# Altium PCB Balam_Board_2021.PcbDoc
Units mm, origin at the board's own origin, x right, y up, seen from the top; angles counter-clockwise.
Board outline 76 x 76 mm, 2 copper layers (Top Layer, Bottom Layer); 46 components, 44 nets, 197 pads, 61 vias.
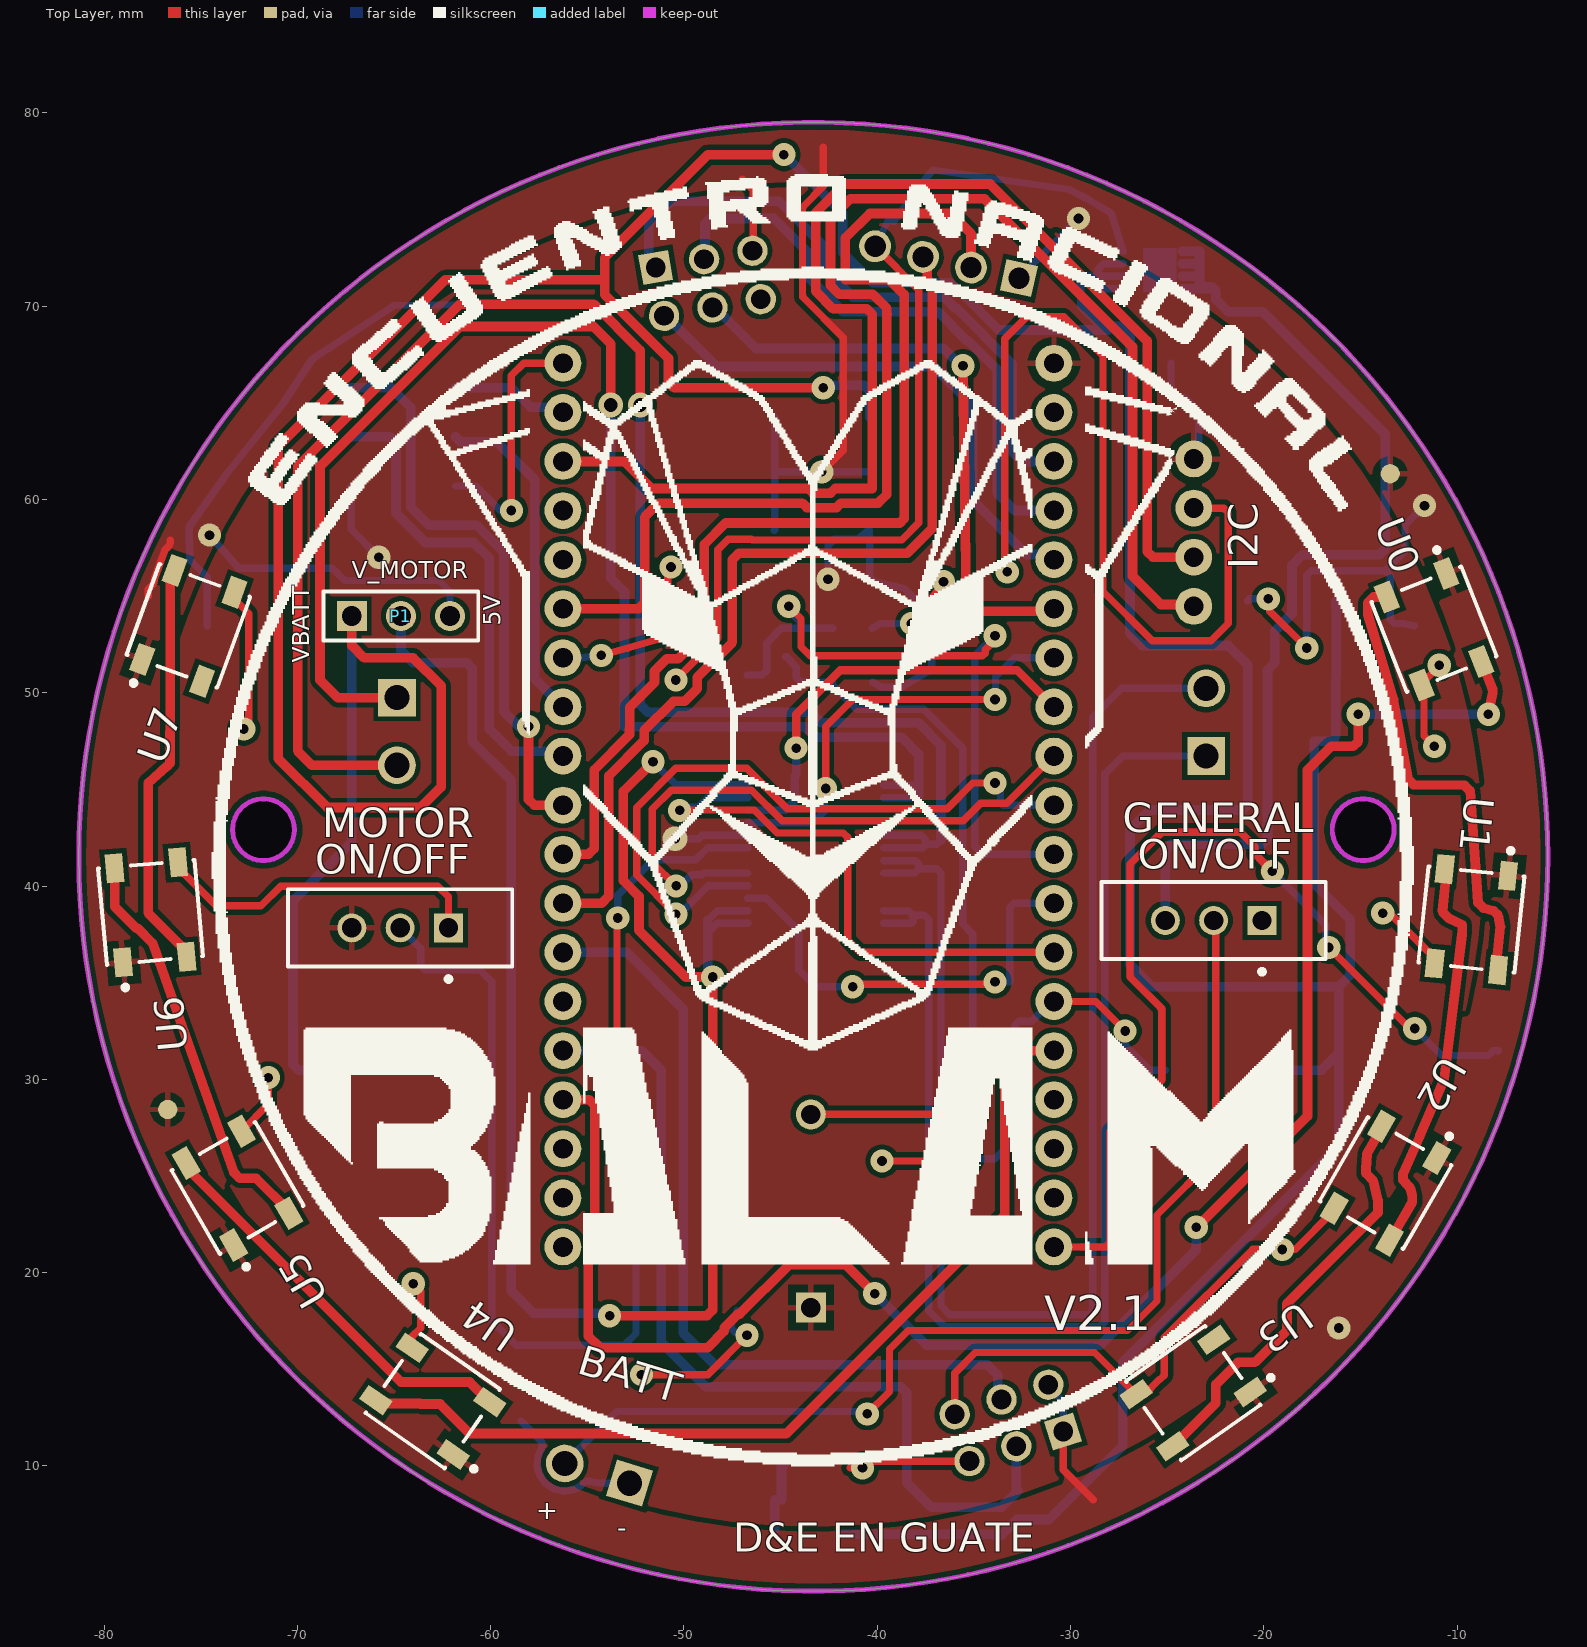
[diagram p0: Top Layer view]
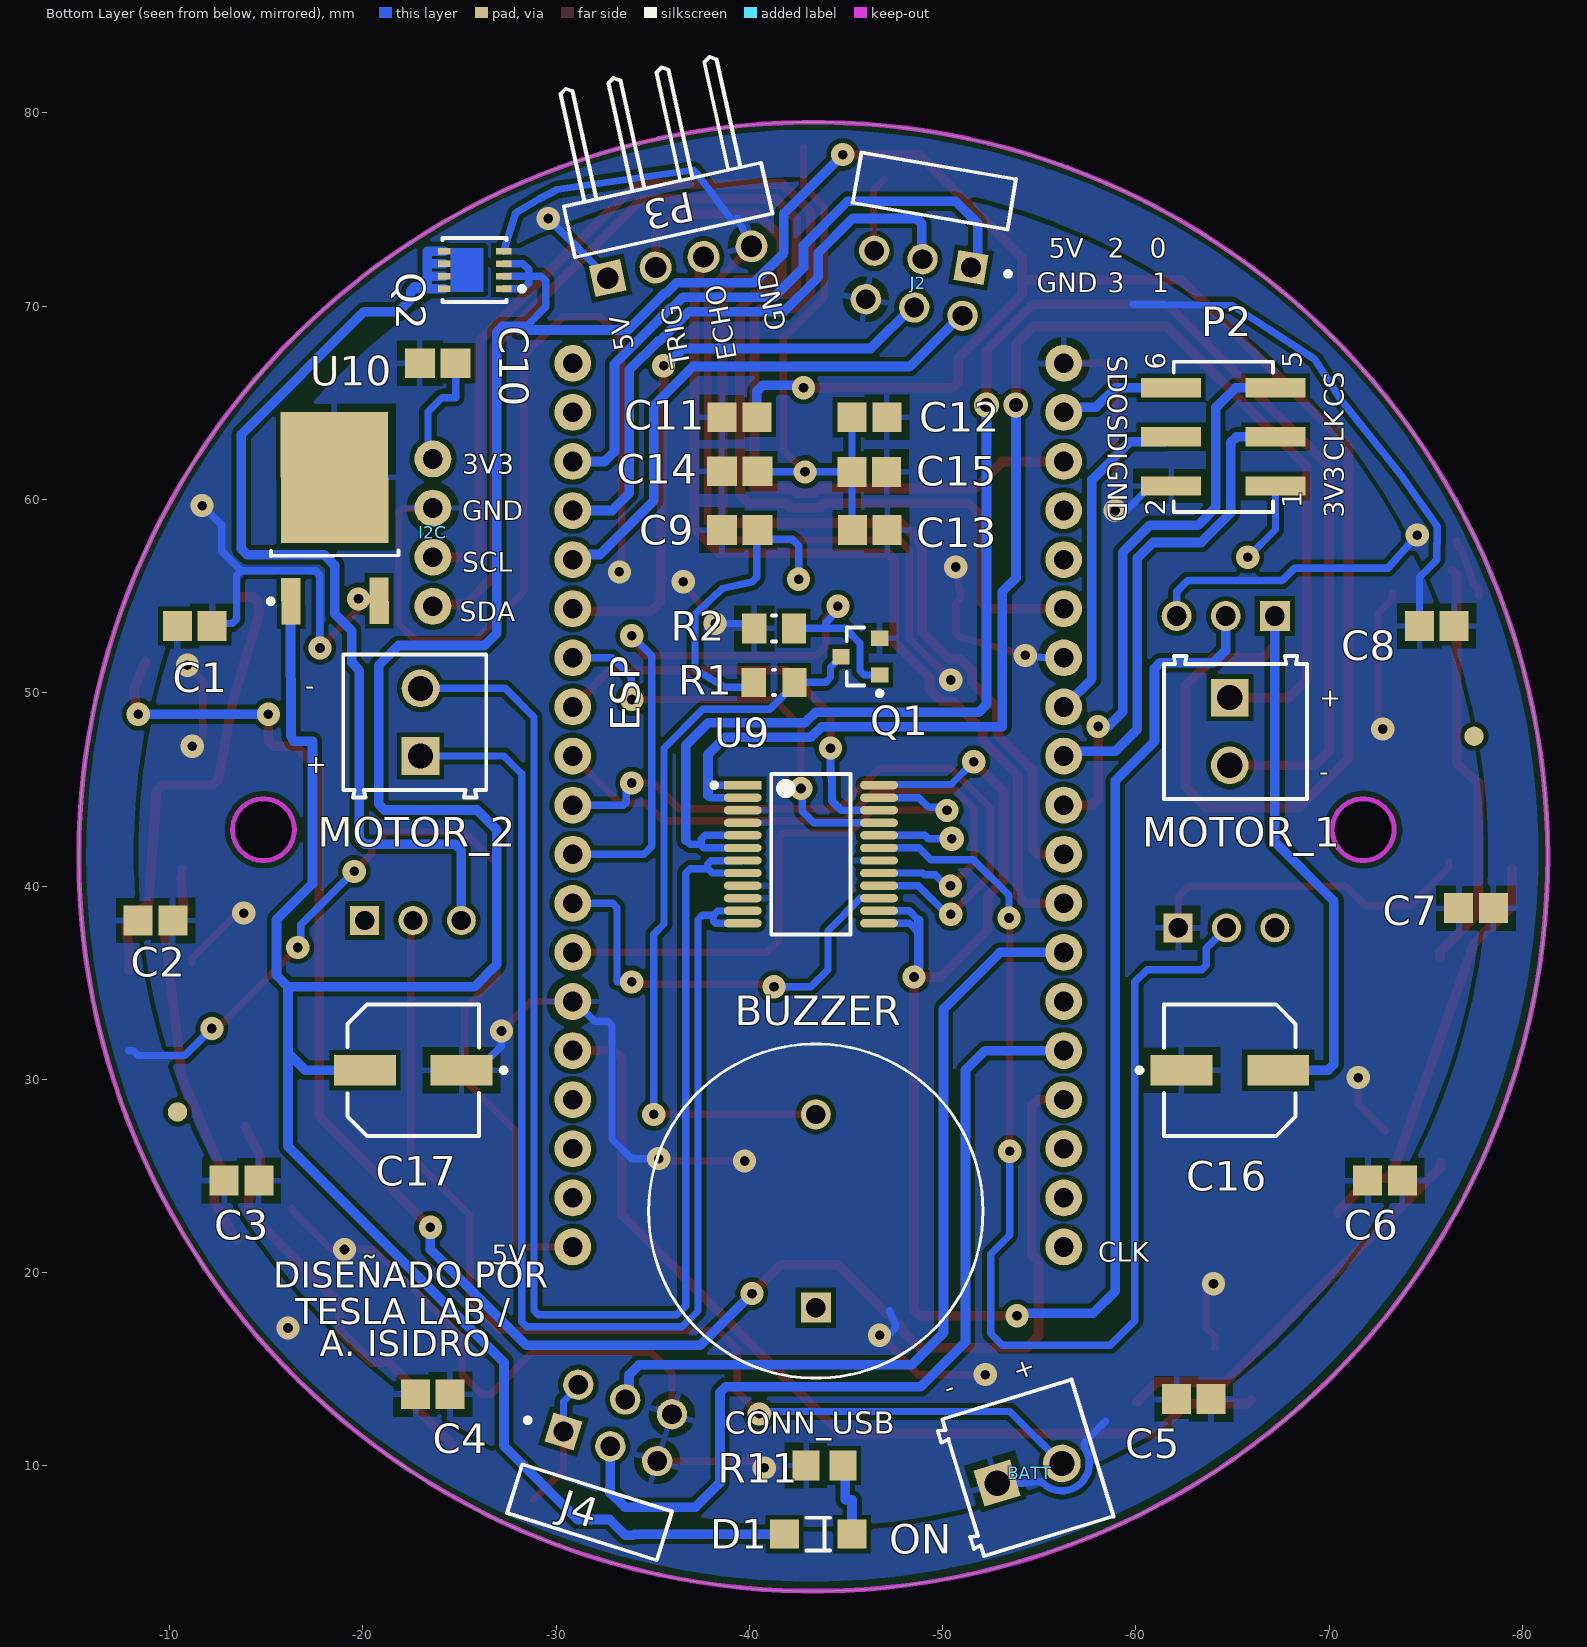
[diagram p1: Bottom Layer view, seen from below]

## Layer stack, top to bottom
Top Solder: solder mask 0.0102, Solder Resist, Dk 3.5
Top Layer: signal copper 0.0356
Dielectric 1: dielectric 0.32, FR-4, Dk 4.8
Bottom Layer: signal copper 0.0356
Bottom Solder: solder mask 0.0102, Solder Resist, Dk 3.5

## Board outline
-81.307,41.519 ccw(c-43.307,41.519) -43.307,3.519 ccw(c-43.307,41.519) -5.307,41.519 ccw(c-43.307,41.519) -43.307,79.519 ccw(c-43.307,41.519)
cut-out: -16.459,42.916 ccw(c-14.859,42.916) -14.859,41.316 ccw(c-14.859,42.916) -13.259,42.916 ccw(c-14.859,42.916) -14.859,44.516 ccw(c-14.859,42.916)
cut-out: -71.755,41.316 cw(c-71.755,42.916) -73.355,42.916 cw(c-71.755,42.916) -71.755,44.516 cw(c-71.755,42.916) -70.155,42.916 cw(c-71.755,42.916)

## Design rules (kind name [scope] priority, off if disabled: settings)
Clearance "Clearance (mechanical)" [(ObjectKind = 'Pad') And (Name = 'Free-101')] p1: gap=0.254 ignorepadtopadclearanceinfootprint=FALSE except(0: Arc-Hole Track-Hole SMDPad-Hole THPad-Hole Via-Hole Fill-Hole Poly-Hole Region-Hole Text-Hole; 0.025: Arc-Arc; 0.102: Arc-Poly Track-Poly SMDPad-Poly Via-Poly Fill-Poly Poly-Poly; 0.127: Arc-SMDPad Track-SMDPad SMDPad-SMDPad; 1: THPad-Poly)
Clearance "Clearance_1 (fiducial)" [(ObjectKind = 'Pad') And (Layer = 'Top Layer') And (Name = 'Free-100')] p2: gap=0.254 ignorepadtopadclearanceinfootprint=FALSE except(0: Arc-Hole Track-Hole SMDPad-Hole THPad-Hole Via-Hole Fill-Hole Poly-Hole Region-Hole Text-Hole; 0.025: Arc-Arc; 0.102: Arc-Poly Track-Poly SMDPad-Poly THPad-Poly Via-Poly Fill-Poly Poly-Poly; 0.127: Arc-SMDPad Track-SMDPad SMDPad-SMDPad)
Clearance [All] p3: gap=0.254 ignorepadtopadclearanceinfootprint=FALSE except(0: Arc-SMDPad Arc-THPad Arc-Hole Track-Hole SMDPad-Hole THPad-Hole Via-Hole Fill-Hole Poly-Hole Region-Hole Text-Hole; 0.127: Track-SMDPad SMDPad-SMDPad; 0.25: Arc-Arc Arc-Track Track-Track; 0.4: Poly-Region)
HoleSize [All] p1: absolutevalues=TRUE maxlimit=4 minlimit=0.5 maxpercent=80.000 minpercent=20.000
MinimumAnnularRing [All] p1: minimumring=0.25
MinimumSolderMaskSliver [All] p1: minsoldermaskwidth=0.05
PasteMaskExpansion PasteMaskExpansion_1 [(ObjectKind = 'Pad') And (Component = 'U2') And (PadViaLibraryTemplate = 'r20_80r100')] p1: expansion=-0.02
PasteMaskExpansion [All] p2: expansion=-0.05
PolygonConnect PolygonConnect_1 [(ObjectKind = 'Via')] p1: connectstyle=Direct reliefconductorwidth=0.254 reliefentries=4 polygonreliefangle="90 Angle" airgapwidth=0.254
PolygonConnect [All] p2: connectstyle=Relief reliefconductorwidth=0.3 reliefentries=4 polygonreliefangle="90 Angle" airgapwidth=0.4
RoutingVias [All] p1: holewidth=0.5 width=1.2 viastyle="Through Hole" minholewidth=0.5 minwidth=1.2 maxholewidth=0.8 maxwidth=2
SilkToSolderMaskClearance [IsPad] p1: minsilkscreentomaskgap=0 clearancetoexposedcopper=TRUE
SolderMaskExpansion SolderMaskExpansion_1 [(ObjectKind = 'Pad') And (Component = 'U2') And (PadViaLibraryTemplate = 'r20_80r100')] p1: expansion=0.02 istentingtop=FALSE
SolderMaskExpansion [All] p2: expansion=0.05 istentingtop=FALSE
Width [All] p1: maxlimit=1 minlimit=0.2 preferedwidth=0.5
26 further rules are at their usual default settings.

## Classes and differential pairs
component class schematic: I2C J2 J4 P2 P3
component class NeoPixel: C1 C2 C3 C4 C5 C6 C7 C8 U0 U1 U2 U3 U4 U5 U6 U7
component class Motores: C9 C10 MOTOR_1 MOTOR_2 ON/OFF P1 U9
component class Buzzer: BUZZER Q1 R1 R2
component class Alimentacion: BATT C11 C12 C13 C14 C15 C16 C17 D1 ON/OFF Q2 R11 U10

## Components (designator, comment, footprint, x,y, rotation, side; value= is the part's Value field where it differs from the comment)
BATT "691214110002" 691214110002 -54.405,9.903 r162.98 bottom
BUZZER "PS1720P02" FP-PS1720P02-MFG -43.434,23.184 r90 bottom
C1 "C0805C105Z4VACTU" CAPC2013X140X50ML20T25 -11.303,53.457 r180 bottom
C2 "C0805C105Z4VACTU" CAPC2013X140X50ML20T25 -9.271,38.217 r0 bottom
C3 "C0805C105Z4VACTU" CAPC2013X140X50ML20T25 -13.716,24.755 r0 bottom
C4 "C0805C105Z4VACTU" CAPC2013X140X50ML20T25 -23.622,13.706 r0 bottom
C5 "C0805C105Z4VACTU" CAPC2013X140X50ML20T25 -62.992,13.452 r180 bottom
C6 "C0805C105Z4VACTU" CAPC2013X140X50ML20T25 -72.887,24.755 r180 bottom
C7 "C0805C105Z4VACTU" CAPC2013X140X50ML20T25 -77.597,38.852 r180 bottom
C8 "C0805C105Z4VACTU" CAPC2013X140X50ML20T25 -75.565,53.457 r180 bottom
C9 "0.1 uF" CAPC2013X94X50ML20T25 -39.497,58.41 r180 bottom
C10 "0.1 uF" CAPC2013X94X50ML20T25 -23.876,67.046 r180 bottom
C11 "C0805C106K4PACTU" CAPC2013X140X50ML20T25 -39.486,64.252 r180 bottom
C12 "C0805C106K4PACTU" CAPC2013X140X50ML20T25 -46.209,64.252 r0 bottom
C13 "C0805C106K4PACTU" CAPC2013X140X50ML20T25 -46.228,58.41 r0 bottom
C14 "0.1 uF" CAPC2013X94X50ML20T25 -39.497,61.458 r180 bottom
C15 "C0805C106K4PACTU" CAPC2013X140X50ML20T25 -46.2,61.427 r0 bottom
C16 "EEE-FK1V470P" FP-FK-D-MFG -64.857,30.47 r180 bottom value=47uF
C17 "EEE-FK1V470P" FP-FK-D-MFG -22.606,30.47 r0 bottom value=47uF
D1 "HSMG-C150" FP-HSMG-C150-MFG -43.561,6.467 r0 bottom
ESP "Shield_ESP32_WR32E" SHIELD_ESP32_WR32E -30.861,67.046 r180 bottom (schematic designator ESP1)
I2C "Pin Socket 4P" "PIN SOCKET 4P" -23.622,62.093 r270 bottom
J2 "M20-9950345" FP-M20-9950345-MFG -49.56,75.911 r9.8 bottom
J4 "M20-9950345" FP-M20-9950345-MFG -31.744,7.646 r197.5 bottom
MOTOR_1 "691214110002" 691214110002 -65.151,47.996 r270 bottom
MOTOR_2 "691214110002" 691214110002 -22.687,48.476 r90 bottom
ON/OFF "EG1218" ESWI-EG1218_V -22.597,38.217 r180 top
ON/OFF "EG1218" ESWI-EG1218_V -64.683,37.836 r180 top (schematic designator ON/OFF1)
P1 "TSW-103-07-F-S" SMTC-TSW-103-07-X-S -67.183,53.965 r0 top
P2 "61000621121" 61000621121 -64.516,63.236 r90 bottom
P3 "61300411021" 61300411021 -35.791,74.977 r347.5 bottom
Q1 "BSS138-7-F" DIOD-SOT23-3_V -45.736,51.867 r0 bottom
Q2 "BSZ086P03NS3 G" INF-PG-TSDSON-8-1_V -25.781,71.872 r180 bottom
R1 "1K" RESC0805(2012)_M -41.275,50.536 r0 bottom value="1000.00 Ohm"
R2 "10 kOhms" RESC2013X60X30ML20T20 -41.275,53.33 r0 bottom
R11 "ERA6AEB221V" RESC2013X60X40ML20T25 -43.881,10.023 r180 bottom
U0 "1655" ADA-RGB-1655_V -11.197,53.287 r291.65 top (schematic designator U1)
U1 "1655" ADA-RGB-1655_V -9.264,38.263 r263.97 top (schematic designator U2)
U2 "1655" ADA-RGB-1655_V -13.704,24.628 r240.03 top (schematic designator U3)
U3 "1655" ADA-RGB-1655_V -23.658,13.765 r215 top (schematic designator U4)
U4 "1655" ADA-RGB-1655_V -62.994,13.349 r145 top (schematic designator U5)
U5 "1655" ADA-RGB-1655_V -73.096,24.374 r120 top (schematic designator U6)
U6 "1655" ADA-RGB-1655_V -77.593,38.635 r95.15 top (schematic designator U7)
U7 "1655" ADA-RGB-1655_V -75.641,53.461 r70 top (schematic designator U8)
U9 "TB6612FNG,C,8,EL" FP-SSOP24-P-300-0_65A-IPC_A -43.18,41.646 r180 bottom
U10 "L7805CDT-TR" TO-252_M -18.542,59.045 r89.75 bottom

## Footprints (in the part's own frame and the unit in brackets; to place one, negate y for a bottom-side part, rotate by r counter-clockwise, add the part's x,y. Pads: shape width x height; smd on the part's side, far side on the other; paste and mask are expansions set on the pad)
61000621121 [mm] "Pin Header, pitch 2.54 mm, SMD, Vertical, dual row, 6p"
  rect 1x3.1 smd: 1(-2.54,-2.7) 2(-2.54,2.7) 3(0,-2.7) 4(0,2.7) 5(2.54,-2.7) 6(2.54,2.7)
  silkscreen extent -3.89,-2.56 3.89,2.57, body extent -3.81,-3.75 3.81,3.75, height 9.62
61300411021 [mm] "Pin Header, pitch 2.54 mm, THT, Angled, single row, 4p"
  rect 1.65x1.65 hole 1.1: 1(3.81,2.77)
  round 1.65 hole 1.1: 2(1.27,2.77) 3(-1.27,2.77) 4(-3.81,2.77)
  silkscreen extent -5.23,-7.27 5.23,1.35, body extent -5.08,-7.27 5.08,3.09, height 2.58
691214110002 [mm] "3.50 mm Horizontal Entry Modular, 2p"
  rect 1.95x1.95 hole 1.3: 1(-1.75,-0.3)
  round 1.95 hole 1.3: 2(1.75,-0.3)
  silkscreen extent -3.9,-3.7 3.5,3.7, body extent -3.95,-3.7 3.5,3.7, height 8.55
ADA-RGB-1655_V [mm] "SMD, 4-Leads, Body 5x5mm"
  rect 1.5x0.9 smd: 1(-2.45,1.65) 2(-2.45,-1.65) 3(2.45,-1.65) 4(2.45,1.65)
  silkscreen extent -3.87,-2.5 2.5,2.5, body extent -2.7,-2.5 2.7,2.5, height 1.68
CAPC2013X94X50ML20T25 [mm] "Chip Capacitor, 2-Leads, Body 2.01x1.25mm, IPC Low Density"
  rect 1.55x1.55 smd: 1(-0.925,0) 2(0.925,0)
  body extent -1.1,-0.72 1.11,0.72, height 0.94
CAPC2013X140X50ML20T25 [mm] "Chip Capacitor, 2-Leads, Body 2.00x1.25mm, IPC Low Density"
  rect 1.5x1.55 smd: 1(-0.9,0) 2(0.9,0)
  body extent -1.1,-0.72 1.1,0.72, height 1.4
DIOD-SOT23-3_V [mm] "SOT23, 3-Leads, Body 3x1.4mm, Pitch 0.95mm"
  rect 0.9x0.8 smd: 1(-1,0.95) 2(-1,-0.95) 3(1,0)
  silkscreen extent -1.12,-1.5 0.7,2.02, body extent -1.25,-1.5 1.25,1.5, height 1.1
ESWI-EG1218_V [mm] "THD, 3-Leads, Body 11.6x4mm, Pitch 2.5mm"
  rect 1.5x1.5 hole 1: 1(-2.5,0)
  round 1.5 hole 1: 2(0,0) 3(2.5,0)
  silkscreen extent -5.8,-2 5.8,2.77, body extent -5.8,-2 5.8,2, height 7.4
FP-FK-D-MFG [mm]
  rect 3.2x1.6 smd paste+0 mask+0: 1(-2.5,0) 2(2.5,0)
  silkscreen extent -4.8,-3.4 3.4,3.4, body extent -3.5,-3.3 3.5,3.3, height 6.11
FP-HSMG-C150-MFG [mm]
  rect 1.5x1.5 smd paste+0 mask+0: 1(-1.75,0) 2(1.75,0)
  silkscreen extent -0.6,-0.85 0.6,0.85, body extent -1.6,-0.8 1.6,0.8, height 1.2
FP-M20-9950345-MFG [mm]
  rect 1.57x1.57 hole 1.02 paste-1000 mask+0: 1(-2.54,3.53)
  round 1.57 hole 1.02 paste-1000 mask+0: 2(-2.54,6.07) 3(0,3.53) 4(0,6.07) 5(2.54,3.53) 6(2.54,6.07)
  silkscreen extent -4.61,-1.37 4.06,3.66, body extent -3.81,-7.37 3.81,6.39, height 5.28
FP-PS1720P02-MFG [mm]
  rect 1.55x1.55 hole 1 paste-1000 mask+0: 1(-5,0)
  round 1.55 hole 1 paste-1000 mask+0: 2(5,0)
  silkscreen extent -8.65,-8.65 8.65,8.65, body extent -8.5,-8.5 8.5,8.5, height 8.3
FP-SSOP24-P-300-0_65A-IPC_A [mm]
  rect 1.954x0.432 smd paste+0 mask+0: 1(-3.525,3.575)
  rrect100% 1.954x0.432 smd paste+0 mask+0: 2(-3.525,2.925) 3(-3.525,2.275) 4(-3.525,1.625) 5(-3.525,0.975) 6(-3.525,0.325) 7(-3.525,-0.325) 8(-3.525,-0.975) 9(-3.525,-1.625) 10(-3.525,-2.275) 11(-3.525,-2.925) 12(-3.525,-3.575) 13(3.525,-3.575) 14(3.525,-2.925) 15(3.525,-2.275) 16(3.525,-1.625) 17(3.525,-0.975) 18(3.525,-0.325) 19(3.525,0.325) 20(3.525,0.975) 21(3.525,1.625) 22(3.525,2.275) 23(3.525,2.925) 24(3.525,3.575)
  silkscreen extent -5.13,-4.15 2.05,4.15, body extent -3.8,-4.02 3.8,4.03, height 1.6
INF-PG-TSDSON-8-1_V [mm] "TSDSON, 8-Leads, Body 3.3x3.3mm, Pitch 0.65mm"
  rect 0.8x0.34 smd: 1(1.5,-0.975) 2(1.5,-0.325) 3(1.5,0.325) 4(1.5,0.975)
  rect 0.65x0.34 smd: 5(-1.575,0.975) 6(-1.575,0.325) 7(-1.575,-0.325) 8(-1.575,-0.975)
  Top Layer region: -1.25,1.145 0.46,1.145 0.46,-1.145 -1.25,-1.145
  silkscreen extent -1.65,-1.65 2.57,1.65, body extent -1.65,-1.65 1.65,1.65, height 1.1
"PIN SOCKET 4P" [mm]
  round 1.905 hole 1.02 mask+0.05: 1(0,0)
  round 1.905 hole 1.02: 2(2.54,0) 3(5.08,0) 4(7.62,0)
  body extent -1.27,-1.27 8.89,1.27, height 7
RESC0805(2012)_M [mm] "Chip Resistor, Body 2.0x1.3mm, IPC Low Density"
  rect 1.25x1.5 smd: 1(-1.05,0) 2(1.05,0)
  silkscreen extent -0.05,-0.65 0.05,0.65, body extent -1.1,-0.67 1.1,0.67, height 0.7
RESC2013X60X30ML20T20 [mm] "Chip Resistor, 2-Leads, Body 2.00x1.25mm, IPC Low Density"
  rect 1.25x1.55 smd: 1(-1.025,0) 2(1.025,0)
  silkscreen extent -0.1,-0.67 0.1,0.67, body extent -1.1,-0.72 1.1,0.72, height 0.6
RESC2013X60X40ML20T25 [mm] "Chip Resistor, 2-Leads, Body 2.00x1.25mm, IPC Low Density"
  rect 1.4x1.55 smd: 1(-0.95,0) 2(0.95,0)
  body extent -1.1,-0.72 1.1,0.72, height 0.6
SHIELD_ESP32_WR32E [mm] "Shield ESP32 WROOM 32E"
  round 1.905 hole 1.02: 0(25.4,-33.02) 2(25.4,-35.56) 3V3(0,0) 4(25.4,-30.48) 5(25.4,-22.86) 5V(0,-45.72) 12(0,-30.48) 13(0,-35.56) 14(0,-27.94) 15(25.4,-38.1) 16(25.4,-27.94) 17(25.4,-25.4) 18(25.4,-20.32) 19(25.4,-17.78) 21(25.4,-12.7) 22(25.4,-5.08) 23(25.4,-2.54) 25(0,-20.32) 26(0,-22.86) 27(0,-25.4) 32(0,-15.24) 33(0,-17.78) 34(0,-10.16) 35(0,-12.7) CLK(25.4,-45.72) CMD(0,-43.18) D0(25.4,-43.18) D1(25.4,-40.64) D2(0,-38.1) D3(0,-40.64) EN(0,-2.54) GND(0,-33.02) GND(25.4,-15.24) GND(25.4,0) TX(25.4,-7.62) VN(0,-7.62) VP(0,-5.08)
  round 1.905 hole 1.02 paste+0 mask+0.025: RX(25.4,-10.16)
  body extent -1.3,-50.84 26.7,4.64, height 13.76
SMTC-TSW-103-07-X-S [mm] ".025 SQ Post Terminal Strip Assembly, 1x3 Pins, Vertical, 2.54mm Pitch, Male"
  rect 1.55x1.55 hole 1.02: 1(0,0)
  round 1.55 hole 1.02: 2(2.54,0) 3(5.08,0)
  silkscreen extent -1.46,-1.27 6.54,1.27, body extent -1.27,-1.27 6.35,1.27, height 8.38
TO-252_M [mm] "D-PAK, 4-Leads, Body 6.1x6.5mm, Pitch 2.28mm, Lead Span 9.7mm, IPC Low Density"
  rect 2.4x1 smd: 1(-4.3,2.28) 3(-4.3,-2.28)
  rect 6.8x5.55 smd: 4(2.1,0)
  silkscreen extent -4.43,-3.3 -1.7,3.45, body extent -1.95,-3.3 4.25,3.3, height 2.4

## Part data